# Altium PCB project_pankov_control_board.PcbDoc (part 1 of 2)
Units mm, origin at the board's own origin, x right, y up, seen from the top; angles counter-clockwise.
Board outline 90 x 75 mm, 2 copper layers (Top Layer, Bottom Layer), stack 1.536 mm thick; 103 components, 103 nets, 429 pads, 380 vias.
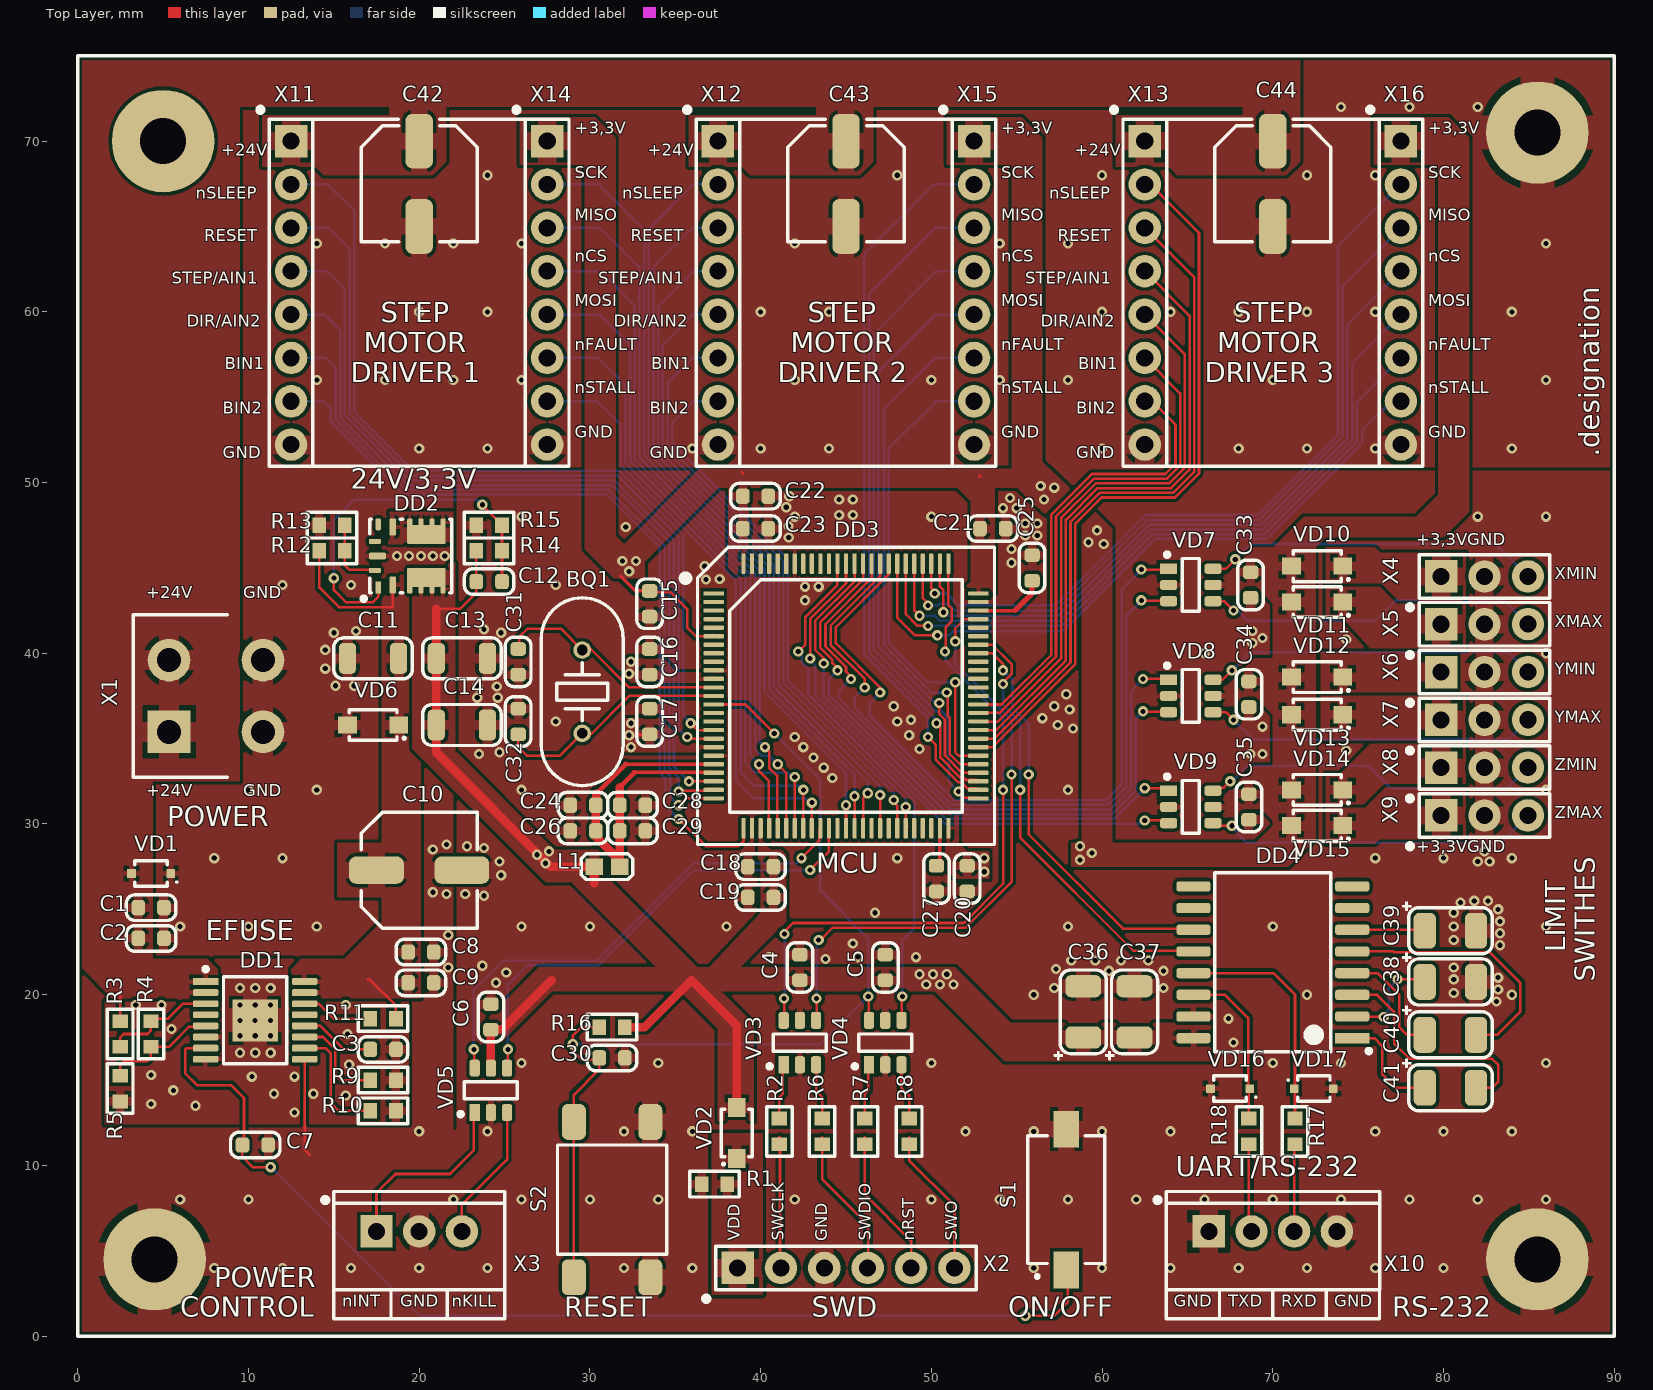
[diagram p0: Top Layer view]
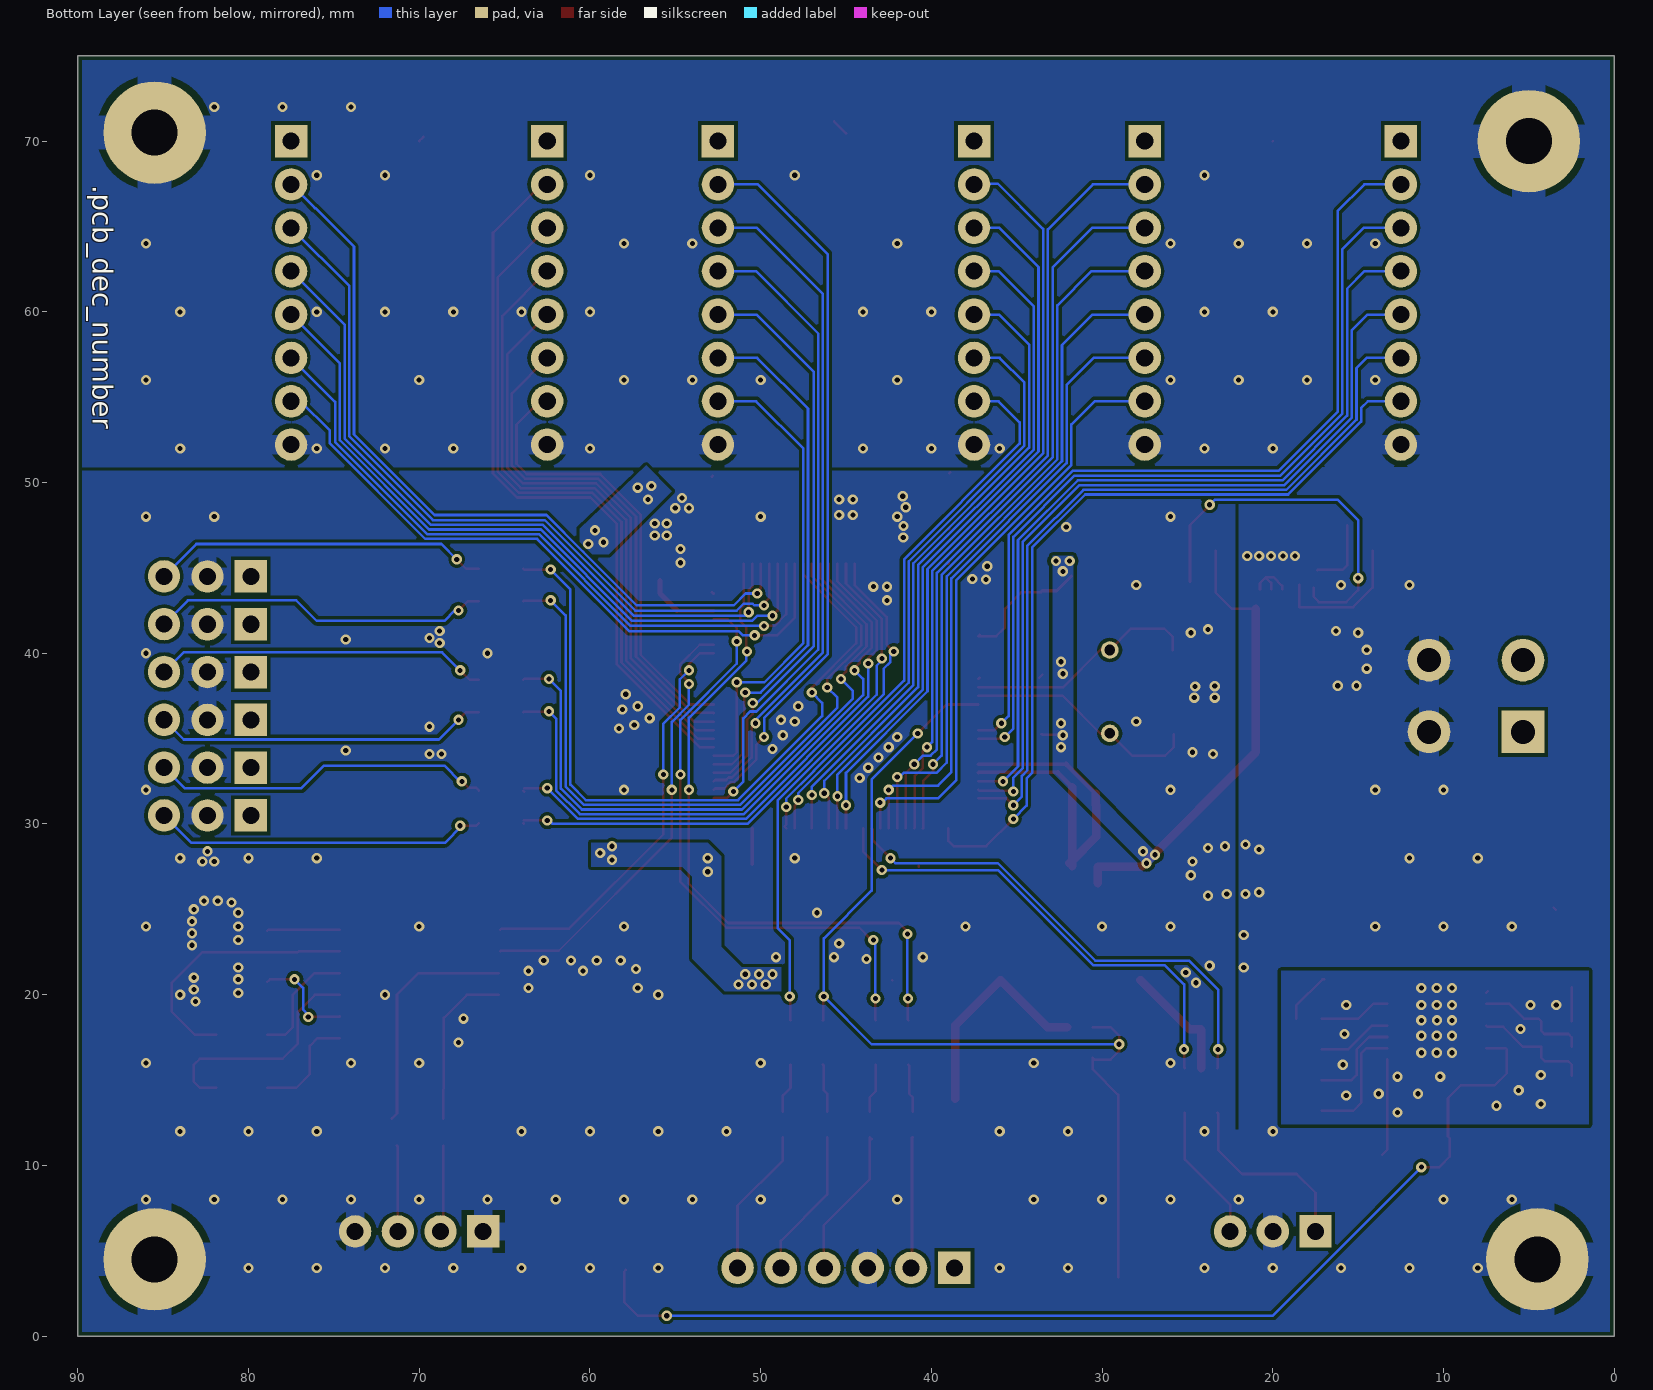
[diagram p1: Bottom Layer view, seen from below]
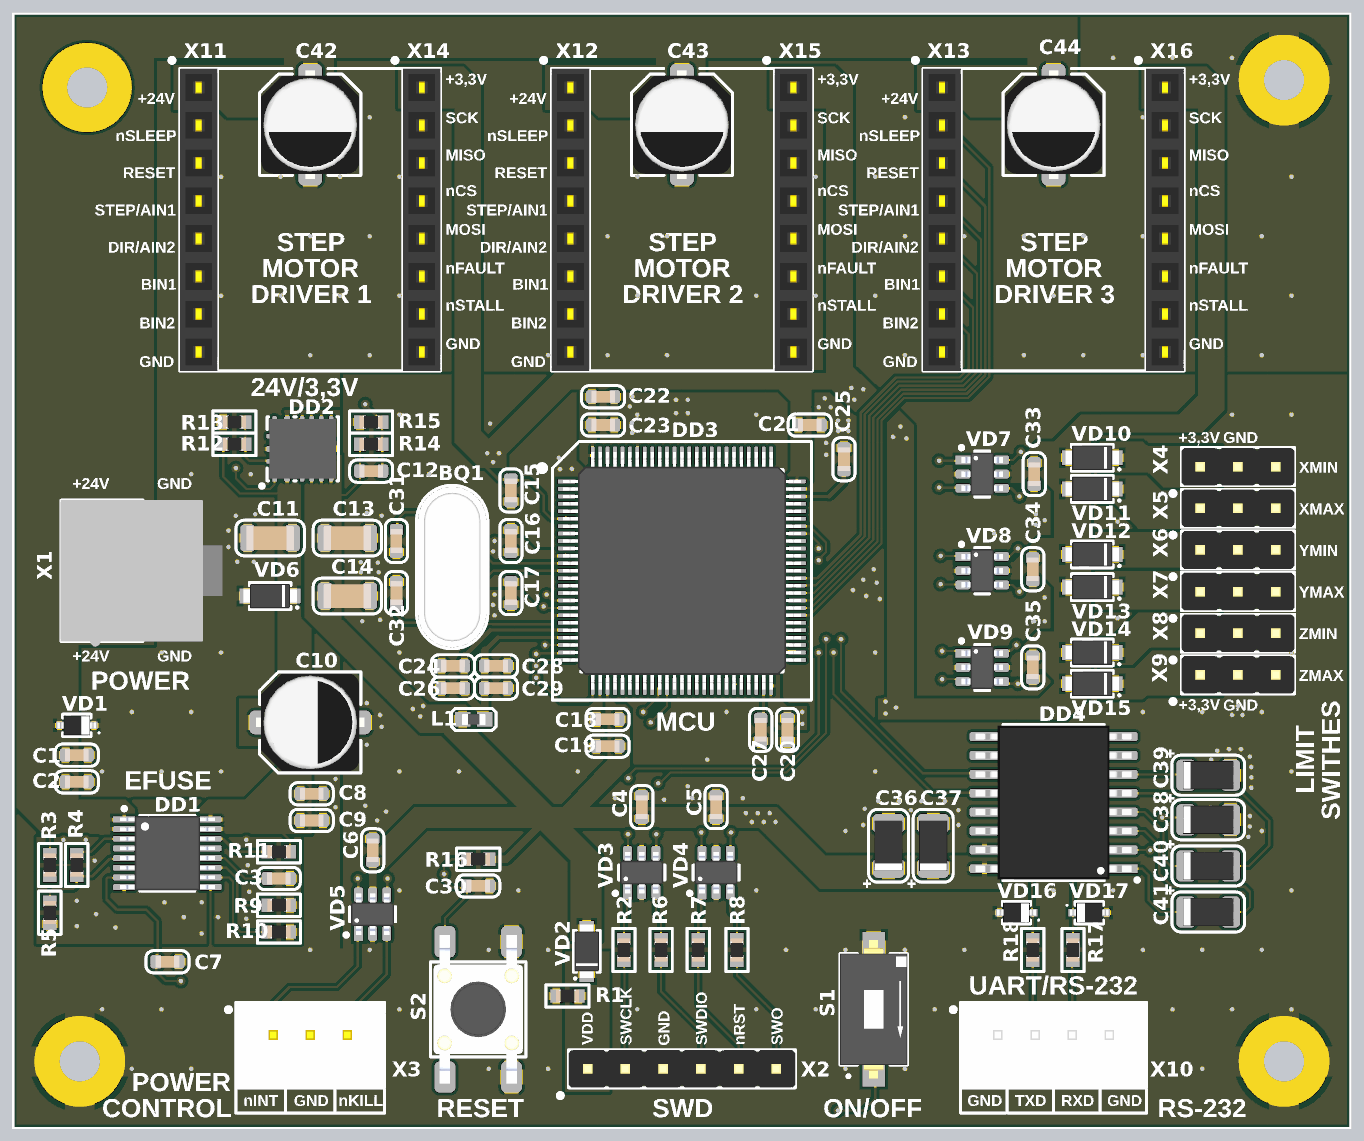
[diagram p3: 3D render of the assembled board from above, using the file's embedded part models]

## Layer stack, top to bottom
Top Solder: solder mask 0.0102, Solder Resist, Dk 3.5
Top Layer: signal copper 0.018
Core 1: core 1.5, FR4, Dk 4.6
Bottom Layer: signal copper 0.018
Bottom Solder: solder mask 0.0102, Solder Resist, Dk 3.5

## Board outline
0,0 0,75 90,75 90,60.5 90,0

## Design rules (kind name [scope] priority, off if disabled: settings)
AcuteAngle min_acute_angle [OnCopper] p1: minimum=3.50000000000000E+0001 checktracksonly=FALSE // Минимальный угол между примитивами топологии
BoardOutlineClearance board_outline_clearance_std [NOT (OnLayer('Bottom Overlay') OR OnLayer('Top Overlay'))] p1: gap=0.25 ignorepadtopadclearanceinfootprint=FALSE except(0: Arc-SplitContinuation Track-SplitContinuation SMDPad-SplitContinuation THPad-SplitContinuation Via-SplitContinuation Fill-SplitContinuation Poly-SplitContinuation Region-SplitContinuation Text-SplitContinuation) // Отступ элементов топологии от края фрезеруемой печатной платы
Clearance clearance_outer_18um_std [OnTopLayer OR OnBottomLayer] p1: gap=0.125 ignorepadtopadclearanceinfootprint=TRUE except(0.2: Arc-Fill Arc-Poly Track-Fill Track-Poly SMDPad-SMDPad SMDPad-Fill SMDPad-Poly THPad-Fill THPad-Poly Via-Fill Via-Poly Fill-Fill Fill-Poly Poly-Poly Poly-Region Poly-Text; 0.25: Arc-Hole Track-Hole SMDPad-Hole THPad-Hole Via-Hole Fill-Hole Poly-Hole Region-Hole Text-Hole) // Зазоры на внешних слоях
Clearance clearance_inner_18um_std [NOT (OnTopLayer Or OnBottomLayer)] p2: gap=0.125 ignorepadtopadclearanceinfootprint=FALSE except(0.2: Arc-Fill Arc-Poly Track-Fill Track-Poly SMDPad-SMDPad SMDPad-Fill SMDPad-Poly THPad-Fill THPad-Poly Via-Fill Via-Poly Fill-Fill Fill-Poly Poly-Poly Poly-Region Poly-Text; 0.25: Arc-Hole Track-Hole SMDPad-Hole THPad-Hole Via-Hole Fill-Hole Poly-Hole Region-Hole Text-Hole) // Зазоры на внутренних слоях
ComponentClearance [All] p1: gap=0 collisioncheckmode=3 verticalgap=0 showdistances=FALSE
DiffPairsRouting diff_pairs_routing [All] p1: maxlimit=0.127 minlimit=0.127 mostfreqgap=0.127 toplayer_minwidth=0.143 toplayer_maxwidth=0.143 toplayer_prefwidth=0.143 bottomlayer_minwidth=0.143 bottomlayer_maxwidth=0.143 bottomlayer_prefwidth=0.143 impedanceprofiledriven=TRUE impedanceprofileid={FD46899E-B5A2-4EF5-A302-5D2DB6A51F35} maxuncoupledlength=12.7 // Правила трассировки дифференциальных пар
HoleSize min_hole_size_std [IsPad] p1: absolutevalues=TRUE maxlimit=5.9 minlimit=0.6 maxpercent=80.000 minpercent=20.000 // Диаметр межслойного переходного отверстия
HoleSize min_hole_size_via_std [IsVia] p2: absolutevalues=TRUE maxlimit=5.9 minlimit=0.3 maxpercent=80.000 minpercent=20.000 // Минимальный диаметр монтажного отверстия
HoleToHoleClearance hole_to_hole_clearance_std [All] p1: gap=0.2 allowstackedmicrovias=FALSE // Минимальное расстояние между краями двух отверстий
MinimumAnnularRing min_via_ar_std [All] p1: minimumring=0.15 // Поясок площадки переходного отверстия (Annular ring VIA)
MinimumAnnularRing min_pad_ar_std [All] p2: minimumring=0.2 // Поясок монтажной контактной площадки (Annular ring PAD)
MinimumSolderMaskSliver min_solder_mask_bridge_std [All] p1: minsoldermaskwidth=0.15 // Мнимальная ширина масочного мостика
PlaneClearance plane_clearance_18um_std [All] p1: clearance=0.2 // Отступ полигона (для слоя plane) от элементов топологии
PlaneConnect [All] p1: planeconnectstyle=Relief reliefexpansion=0.5 reliefentries=4 reliefconductorwidth=0.2 reliefairgap=0.2
PolygonConnect poly_connect_to_pad<=0.3 [(AsMM(PadXSize_AllLayers)<=0.301) or (AsMM(PadYSize_AllLayers)<=0.301)] p1: thpad.connectstyle=Relief thpad.reliefconductorwidth=0.2 thpad.reliefentries=4 thpad.polygonreliefangle="90 Angle" thpad.airgapwidth=0.2 smdpad.connectstyle=Relief smdpad.reliefconductorwidth=0.2 smdpad.reliefentries=4 smdpad.polygonreliefangle="90 Angle" smdpad.airgapwidth=0.2 via.connectstyle=Direct via.reliefconductorwidth=0.254 via.reliefentries=4 via.polygonreliefangle="90 Angle" via.airgapwidth=0.254 // Правила подключения полигонов для падов от 0,3мм и меньше
PolygonConnect poly_connect_to_pad<=0.4 [(AsMM(PadXSize_AllLayers)<=0.401) or (AsMM(PadYSize_AllLayers)<=0.401)] p2: thpad.connectstyle=Relief thpad.reliefconductorwidth=0.26 thpad.reliefentries=4 thpad.polygonreliefangle="90 Angle" thpad.airgapwidth=0.2 smdpad.connectstyle=Relief smdpad.reliefconductorwidth=0.26 smdpad.reliefentries=4 smdpad.polygonreliefangle="90 Angle" smdpad.airgapwidth=0.2 via.connectstyle=Direct via.reliefconductorwidth=0.254 via.reliefentries=4 via.polygonreliefangle="90 Angle" via.airgapwidth=0.254 // Правила подключения полигонов для падов от 0,4 и меньше
PolygonConnect poly_connect_to_pad<=0.6 [(AsMM(PadXSize_AllLayers)<=0.601) or (AsMM(PadYSize_AllLayers)<=0.601)] p3: thpad.connectstyle=Relief thpad.reliefconductorwidth=0.33 thpad.reliefentries=4 thpad.polygonreliefangle="90 Angle" thpad.airgapwidth=0.2 smdpad.connectstyle=Relief smdpad.reliefconductorwidth=0.33 smdpad.reliefentries=4 smdpad.polygonreliefangle="90 Angle" smdpad.airgapwidth=0.2 via.connectstyle=Direct via.reliefconductorwidth=0.254 via.reliefentries=4 via.polygonreliefangle="90 Angle" via.airgapwidth=0.254 // Правила подключения полигонов для падов от 0,6мм и меньше
PolygonConnect poly_connect_to_pad<=0.7 [(AsMM(PadXSize_AllLayers)<=0.701) or (AsMM(PadYSize_AllLayers)<=0.701)] p4: thpad.connectstyle=Relief thpad.reliefconductorwidth=0.46 thpad.reliefentries=4 thpad.polygonreliefangle="90 Angle" thpad.airgapwidth=0.2 smdpad.connectstyle=Relief smdpad.reliefconductorwidth=0.46 smdpad.reliefentries=4 smdpad.polygonreliefangle="90 Angle" smdpad.airgapwidth=0.2 via.connectstyle=Direct via.reliefconductorwidth=0.254 via.reliefentries=4 via.polygonreliefangle="90 Angle" via.airgapwidth=0.254 // Правила подключения полигонов для падов от 0,7мм и меньше
PolygonConnect poly_connect_to_pad<=0.8 [(AsMM(PadXSize_AllLayers)<=0.8)or(AsMM(PadYSize_AllLayers)<=0.8)] p5: thpad.connectstyle=Relief thpad.reliefconductorwidth=0.53 thpad.reliefentries=4 thpad.polygonreliefangle="90 Angle" thpad.airgapwidth=0.3 smdpad.connectstyle=Relief smdpad.reliefconductorwidth=0.53 smdpad.reliefentries=4 smdpad.polygonreliefangle="90 Angle" smdpad.airgapwidth=0.2 via.connectstyle=Direct via.reliefconductorwidth=0.254 via.reliefentries=4 via.polygonreliefangle="90 Angle" via.airgapwidth=0.254 // Правила подключения полигонов для падов от 0,8мм и меньше
PolygonConnect poly_connect_to_pad<=1 [(AsMM(PadXSize_AllLayers)<=1.01)or(AsMM(PadYSize_AllLayers)<=1.01)] p6: thpad.connectstyle=Relief thpad.reliefconductorwidth=0.6 thpad.reliefentries=4 thpad.polygonreliefangle="90 Angle" thpad.airgapwidth=0.3 smdpad.connectstyle=Relief smdpad.reliefconductorwidth=0.6 smdpad.reliefentries=4 smdpad.polygonreliefangle="90 Angle" smdpad.airgapwidth=0.2 via.connectstyle=Direct via.reliefconductorwidth=0.254 via.reliefentries=4 via.polygonreliefangle="90 Angle" via.airgapwidth=0.254 // Правила подключения полигонов для падов от 1мм и меньше
PolygonConnect poly_connect_to_pad<=1.3 [(AsMM(PadXSize_AllLayers)<=1.31)or(AsMM(PadYSize_AllLayers)<=1.31)] p7: thpad.connectstyle=Relief thpad.reliefconductorwidth=0.66 thpad.reliefentries=4 thpad.polygonreliefangle="90 Angle" thpad.airgapwidth=0.3 smdpad.connectstyle=Relief smdpad.reliefconductorwidth=0.86 smdpad.reliefentries=4 smdpad.polygonreliefangle="90 Angle" smdpad.airgapwidth=0.2 via.connectstyle=Direct via.reliefconductorwidth=0.254 via.reliefentries=4 via.polygonreliefangle="90 Angle" via.airgapwidth=0.254 // Правила подключения полигонов для падов от 1,3мм и меньше
PolygonConnect poly_connect_to_pad<=1.6 [(AsMM(PadXSize_AllLayers)<=1.61)or(AsMM(PadYSize_AllLayers)<=1.61)] p8: thpad.connectstyle=Relief thpad.reliefconductorwidth=0.8 thpad.reliefentries=4 thpad.polygonreliefangle="90 Angle" thpad.airgapwidth=0.3 smdpad.connectstyle=Relief smdpad.reliefconductorwidth=1 smdpad.reliefentries=4 smdpad.polygonreliefangle="90 Angle" smdpad.airgapwidth=0.2 via.connectstyle=Direct via.reliefconductorwidth=0.254 via.reliefentries=4 via.polygonreliefangle="90 Angle" via.airgapwidth=0.254 // Правила подключения полигонов для падов от 1,6мм и меньше
PolygonConnect poly_connect_to_pad<=1.8 [(AsMM(PadXSize_AllLayers)<=1.8)or(AsMM(PadYSize_AllLayers)<=1.8)] p9: thpad.connectstyle=Relief thpad.reliefconductorwidth=1 thpad.reliefentries=4 thpad.polygonreliefangle="90 Angle" thpad.airgapwidth=0.3 smdpad.connectstyle=Relief smdpad.reliefconductorwidth=1.2 smdpad.reliefentries=4 smdpad.polygonreliefangle="90 Angle" smdpad.airgapwidth=0.2 via.connectstyle=Direct via.reliefconductorwidth=0.254 via.reliefentries=4 via.polygonreliefangle="90 Angle" via.airgapwidth=0.254 // Правила подключения полигонов для падов от 1,8мм и меньше
PolygonConnect poly_connect_to_pad<=2 [(AsMM(PadXSize_AllLayers)<=2.01)or(AsMM(PadYSize_AllLayers)<=2.01)] p10: thpad.connectstyle=Relief thpad.reliefconductorwidth=1.1 thpad.reliefentries=4 thpad.polygonreliefangle="90 Angle" thpad.airgapwidth=0.3 smdpad.connectstyle=Relief smdpad.reliefconductorwidth=1.4 smdpad.reliefentries=4 smdpad.polygonreliefangle="90 Angle" smdpad.airgapwidth=0.2 via.connectstyle=Direct via.reliefconductorwidth=0.254 via.reliefentries=4 via.polygonreliefangle="90 Angle" via.airgapwidth=0.254 // Правила подключения полигонов для падов от 2мм и меньше
PolygonConnect poly_connect_to_pad<=2.3 [(AsMM(PadXSize_AllLayers)<=2.31)or(AsMM(PadYSize_AllLayers)<=2.31)] p11: thpad.connectstyle=Relief thpad.reliefconductorwidth=1.2 thpad.reliefentries=4 thpad.polygonreliefangle="90 Angle" thpad.airgapwidth=0.3 smdpad.connectstyle=Relief smdpad.reliefconductorwidth=1.4 smdpad.reliefentries=4 smdpad.polygonreliefangle="90 Angle" smdpad.airgapwidth=0.2 via.connectstyle=Direct via.reliefconductorwidth=0.254 via.reliefentries=4 via.polygonreliefangle="90 Angle" via.airgapwidth=0.254 // Правила подключения полигонов для падов от 2,3мм и меньше
PolygonConnect poly_connect_to_pad<=2.5 [(AsMM(PadXSize_AllLayers)<=2.51)or(AsMM(PadYSize_AllLayers)<=2.51)] p12: thpad.connectstyle=Relief thpad.reliefconductorwidth=1.2 thpad.reliefentries=4 thpad.polygonreliefangle="90 Angle" thpad.airgapwidth=0.3 smdpad.connectstyle=Relief smdpad.reliefconductorwidth=1.4 smdpad.reliefentries=4 smdpad.polygonreliefangle="90 Angle" smdpad.airgapwidth=0.2 via.connectstyle=Direct via.reliefconductorwidth=0.254 via.reliefentries=4 via.polygonreliefangle="90 Angle" via.airgapwidth=0.254 // Правила подключения полигонов для падов от 2,5мм и меньше
PolygonConnect poly_connect_to_pad<=2.7 [(AsMM(PadXSize_AllLayers)<=2.71)or(AsMM(PadYSize_AllLayers)<=2.71)] p13: thpad.connectstyle=Relief thpad.reliefconductorwidth=1.4 thpad.reliefentries=4 thpad.polygonreliefangle="90 Angle" thpad.airgapwidth=0.3 smdpad.connectstyle=Relief smdpad.reliefconductorwidth=1.6 smdpad.reliefentries=4 smdpad.polygonreliefangle="90 Angle" smdpad.airgapwidth=0.2 via.connectstyle=Direct via.reliefconductorwidth=0.254 via.reliefentries=4 via.polygonreliefangle="90 Angle" via.airgapwidth=0.254 // Правила подключения полигонов для падов от 2,7мм и меньше
PolygonConnect poly_connect_to_pad<=3 [(AsMM(PadXSize_AllLayers)<=3.01)or(AsMM(PadYSize_AllLayers)<=3.01)] p14: thpad.connectstyle=Relief thpad.reliefconductorwidth=1.6 thpad.reliefentries=4 thpad.polygonreliefangle="90 Angle" thpad.airgapwidth=0.3 smdpad.connectstyle=Relief smdpad.reliefconductorwidth=1.8 smdpad.reliefentries=4 smdpad.polygonreliefangle="90 Angle" smdpad.airgapwidth=0.2 via.connectstyle=Direct via.reliefconductorwidth=0.254 via.reliefentries=4 via.polygonreliefangle="90 Angle" via.airgapwidth=0.254 // Правила подключения полигонов для падов от 3мм и меньше
PolygonConnect poly_connect_to_pad<=7 [(AsMM(PadXSize_AllLayers)<7.01)or(AsMM(PadYSize_AllLayers)<=7.01)] p15: thpad.connectstyle=Relief thpad.reliefconductorwidth=2 thpad.reliefentries=4 thpad.polygonreliefangle="90 Angle" thpad.airgapwidth=0.4 smdpad.connectstyle=Relief smdpad.reliefconductorwidth=2 smdpad.reliefentries=4 smdpad.polygonreliefangle="90 Angle" smdpad.airgapwidth=0.3 via.connectstyle=Direct via.reliefconductorwidth=0.254 via.reliefentries=4 via.polygonreliefangle="90 Angle" via.airgapwidth=0.254 // Правила подключения полигонов для падов от 7мм и меньше
PolygonConnect poly_connect_to_pad [All] p16: thpad.connectstyle=Relief thpad.reliefconductorwidth=0.25 thpad.reliefentries=4 thpad.polygonreliefangle="90 Angle" thpad.airgapwidth=0.2 smdpad.connectstyle=Relief smdpad.reliefconductorwidth=0.25 smdpad.reliefentries=4 smdpad.polygonreliefangle="90 Angle" smdpad.airgapwidth=0.2 via.connectstyle=Direct via.reliefconductorwidth=0.25 via.reliefentries=4 via.polygonreliefangle="90 Angle" via.airgapwidth=0.2 // Правила подключения полигонов общие
RoutingCorners [All] p1 off: cornerstyle=45-Degree minsetback=2.5 maxsetback=2.5
RoutingVias [All] p1: holewidth=0.3 width=0.6 viastyle="Through Hole" minholewidth=0.3 minwidth=0.6 maxholewidth=5.9 maxwidth=6.4
SilkToSilkClearance silk_to_silk_clearance_std [All] p1 off: silktosilkclearance=0.15 // Отступ текста шелкографии от других примитивов шелкографии
SilkToSolderMaskClearance silk_to_solder_mask_clearance_std [IsPad] p1 off: minsilkscreentomaskgap=0.15 clearancetoexposedcopper=FALSE // Минимальное расстояние между элементами шелкографии и вскрытой медью
SolderMaskExpansion solder_mask_expansion_std [All] p1: expansion=0.05 // Припуск паяльной масски
UnRoutedNet [All] p1: checkbadconnections=TRUE
Width width_18um_std [All] p1: maxlimit=10 minlimit=0.125 preferedwidth=0.15 checkconnectedcopper=TRUE // Ширина проводников (общая)
19 further rules are at their usual default settings.

## Components (designator, comment, footprint, x,y, rotation, side; value= is the part's Value field where it differs from the comment)
BQ1 "ECS-120-20-4X-DU" HC-49/US 29.55,37.75 r90 top
C1 "0,1 мк" C0603 4.3,25.1 r0 top
C2 "1 мк" C0603 4.3,23.3 r0 top
C3 "2,2 мк" C0603 17.89,16.8 r0 top
C4 "0,1 мк" C0603 42.3,21.6 r90 top
C5 "0,1 мк" C0603 47.3,21.6 r90 top
C6 "0,1 мк" C0603 24.2,18.7 r90 top
C7 "0,1 мк" C0603 10.4,11.2 r0 top
C8 "0,1 мк" C0603 20.1,22.5 r0 top
C9 "1 мк" C0603 20.1,20.7 r0 top
C10 "100 мк" CAPAE-660X660X800 20,27.3 r0 top
C11 "10 мк" C1206 17.3,39.7 r180 top
C12 "100" C0603 24.1,44.2 r0 top
C13 "47 мк" C1206 22.5,39.7 r0 top
C14 "47 мк" C1206 22.5,35.8 r0 top
C15 "1 мк" C0603 33.5,42.9 r270 top
C16 "0,1 мк" C0603 33.5,39.5 r90 top
C17 "0,1 мк" C0603 33.5,36 r90 top
C18 "0,1 мк" C0603 40,27.5 r180 top
C19 "0,1 мк" C0603 40,25.7 r180 top
C20 "0,1 мк" C0603 52.1,26.8 r270 top
C21 "0,1 мк" C0603 53.6,47.3 r0 top
C22 "0,1 мк" C0603 39.7,49.2 r0 top
C23 "0,1 мк" C0603 39.7,47.3 r0 top
C24 "1 мк" C0603 29.6,31.1 r180 top
C25 "2,2 мк" C0603 55.9,45 r90 top
C26 "0,01 мк" C0603 29.6,29.6 r180 top
C27 "2,2 мк" C0603 50.3,26.8 r270 top
C28 "1 мк" C0603 32.5,31.1 r0 top
C29 "0,01 мк" C0603 32.5,29.6 r0 top
C30 "0,1 мк" C0603 31.3,16.3 r0 top
C31 "20" C0603 25.8,39.5 r90 top
C32 "20" C0603 25.8,36 r270 top
C33 "0,1 мк" C0603 68.7,44 r270 top
C34 "0,1 мк" C0603 68.6,37.6 r270 top
C35 "0,1 мк" C0603 68.6,31 r270 top
C36 "1 мк" C3216-18 58.9,19 r90 top
C37 "0,1 мк" C3216-18 61.9,19 r90 top
C38 "1 мк" C3216-18 80.4,20.75 r0 top
C39 "1 мк" C3216-18 80.4,23.75 r0 top
C40 "1 мк" C3216-18 80.4,17.65 r0 top
C41 "1 мк" C3216-18 80.4,14.55 r0 top
C42 "100 мк" CAPAE-660X660X800 20,67.5 r270 top
C43 "100 мк" CAPAE-660X660X800 45,67.5 r270 top
C44 "100 мк" CAPAE-660X660X800 70,67.5 r270 top
DD1 "TPS26400PWPR" HTSSOP-16-P65-500X440X120-L63X25-T246X266 10.39,18.5 r0 top
DD2 "TPSM84209RKHT" QFN-FCMOD-9-P65-450X400X210 19.5,45.7 r90 top
DD3 "STM32F407VGT6" LQFP-100-P50-1400X1400X160-L60X22 45,37.5 r0 top
DD4 "MAX232DW" SOIC-16-P127-1030X750X265-L84X41 70,21.9 r180 top
L1 "BLM18KG221SH1D" BLM-2-0603 31,27.5 r180 top
R1 "10 к" R0603 37.3,8.9 r0 top
R2 "22" R0603 41.1,12 r90 top
R3 "270 к" R0603 2.49,17.7 r90 top
R4 "2,4 к" R0603 4.29,17.7 r90 top
R5 "13 к" R0603 2.49,14.5 r90 top
R6 "22" R0603 43.6,12 r90 top
R7 "22" R0603 46.1,12 r90 top
R8 "22" R0603 48.7,12 r90 top
R9 "24 к" R0603 17.89,15 r180 top
R10 "51 к" R0603 17.89,13.2 r180 top
R11 "10 к" R0603 17.89,18.6 r0 top
R12 "10 к" R0603 14.9,46 r180 top
R13 "51 к" R0603 14.9,47.5 r0 top
R14 "10 к" R0603 24.1,46 r180 top
R15 "2,2 к" R0603 24.1,47.5 r0 top
R16 "10 к" R0603 31.3,18.1 r0 top
R17 "22" R0603 71.3,12 r90 top
R18 "22" R0603 68.6,12 r90 top
S1 "SDA01H1SBD" SDA01H1SBD 57.9,8 r90 top
S2 "FSM4JSMA" FSM4JSMA 31.3,8 r90 top
VD1 "SD24C-01FTG" SOD-323-257X130X114 4.3,27.1 r180 top
VD2 "MBR140SFT1G" SOD-123FL-370X165X98 38.6,11.9 r90 top
VD3 "TPD2S017DBVR" SOT-23-6-P95-290X280X145 42.3,17.2 r90 top
VD4 "TPD2S017DBVR" SOT-23-6-P95-290X280X145 47.3,17.2 r90 top
VD5 "TPD2S017DBVR" SOT-23-6-P95-290X280X145 24.2,14.4 r90 top
VD6 "MBR140SFT1G" SOD-123FL-370X165X98 17.3,35.8 r180 top
VD7 "TPD2S017DBVR" SOT-23-6-P95-290X280X145 65.2,44 r0 top
VD8 "TPD2S017DBVR" SOT-23-6-P95-290X280X145 65.2,37.5 r0 top
VD9 "TPD2S017DBVR" SOT-23-6-P95-290X280X145 65.2,31 r0 top
VD10 "MBR140SFT1G" SOD-123FL-370X165X98 72.6,45.1 r180 top
VD11 "MBR140SFT1G" SOD-123FL-370X165X98 72.6,43 r180 top
VD12 "MBR140SFT1G" SOD-123FL-370X165X98 72.6,38.6 r180 top
VD13 "MBR140SFT1G" SOD-123FL-370X165X98 72.6,36.4 r180 top
VD14 "MBR140SFT1G" SOD-123FL-370X165X98 72.6,32 r180 top
VD15 "MBR140SFT1G" SOD-123FL-370X165X98 72.6,29.9 r180 top
VD16 "SD12C-01FTG" SOD-323-257X130X114 67.5,14.5 r180 top
VD17 "SD12C-01FTG" SOD-323-257X130X114 72.4,14.5 r0 top
X1 "4-1775099-0" 4-1775099-0 8,37.5 r90 top
X2 "DS1021-1x6SF11-B" DS1021-1X6SF11-B 45,4 r0 top
X3 "DS1069-3MVW6X" DS1069-3MVW6X 20,5.6 r0 top
X4 "DS1021-1x3SF11-B" DS1021-1X3SF11-B 82.4,44.5 r0 top
X5 "DS1021-1x3SF11-B" DS1021-1X3SF11-B 82.4,41.7 r0 top
X6 "DS1021-1x3SF11-B" DS1021-1X3SF11-B 82.4,38.9 r0 top
X7 "DS1021-1x3SF11-B" DS1021-1X3SF11-B 82.4,36.1 r0 top
X8 "DS1021-1x3SF11-B" DS1021-1X3SF11-B 82.4,33.3 r0 top
X9 "DS1021-1x3SF11-B" DS1021-1X3SF11-B 82.4,30.5 r0 top
X10 "DS1069-4MVW6X" DS1069-4MVW6X 70,5.6 r0 top
X11 "DS1023-1x8SF11" DS1023-1X8SF11 12.5,61.11 r270 top
X12 "DS1023-1x8SF11" DS1023-1X8SF11 37.5,61.11 r270 top
X13 "DS1023-1x8SF11" DS1023-1X8SF11 62.5,61.11 r270 top